# Altium PCB Developer_GT06_Assemble_V1.1.0_Nov2023_1402.06.05.PcbDoc
Units mm, origin at the board's own origin, x right, y up, seen from the top; angles counter-clockwise.
Board outline 41.66 x 17.65 mm, 2 copper layers (Top Layer, Bottom Layer); 56 components, 0 nets, 126 pads, 0 vias.
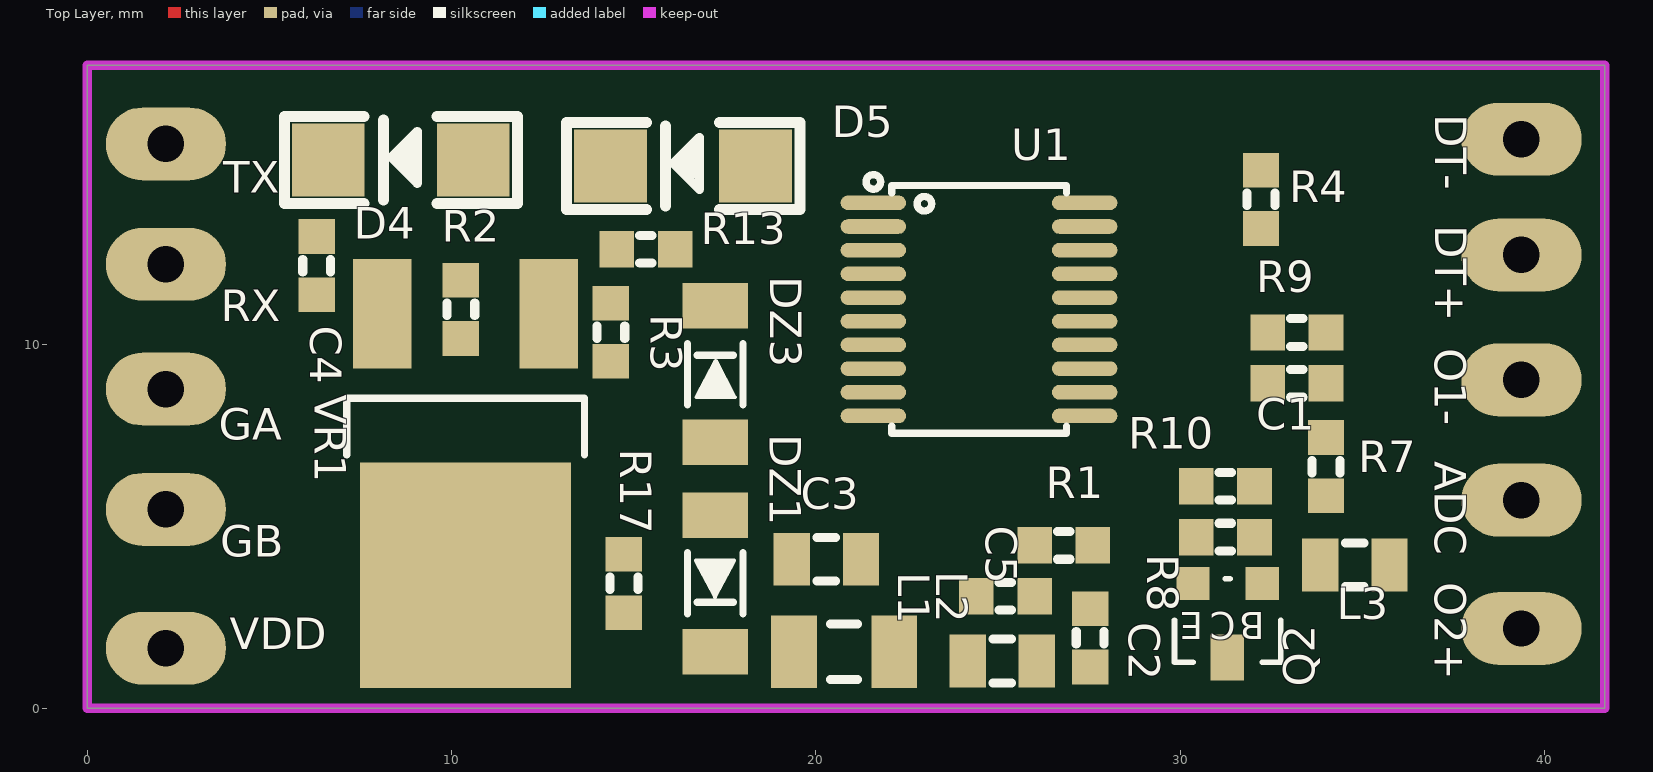
[diagram p0: Top Layer view]
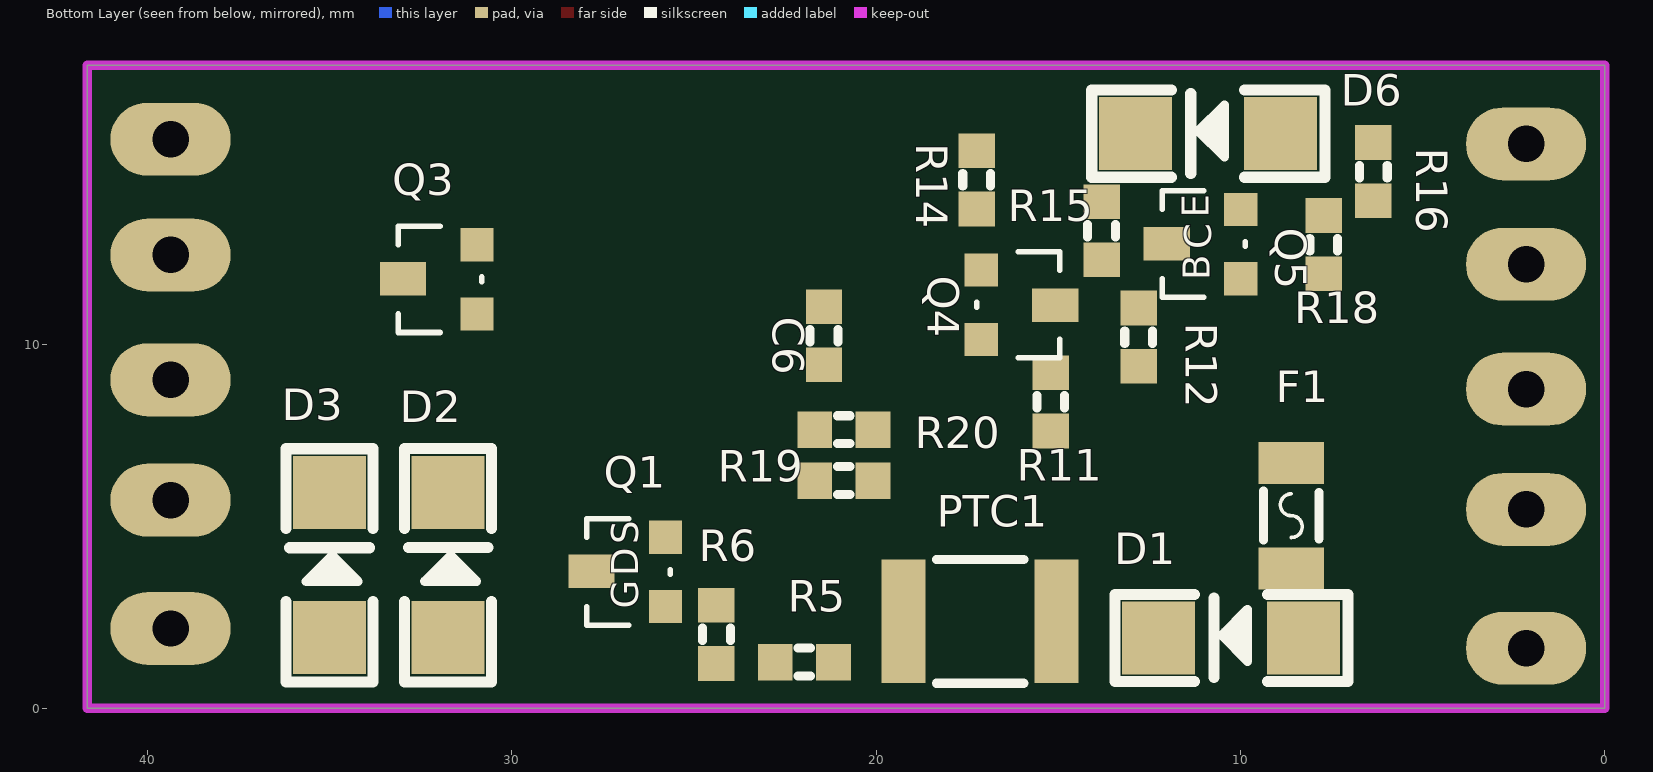
[diagram p1: Bottom Layer view, seen from below]

## Layer stack, top to bottom
Top Solder: solder mask 0.0102, Solder Resist, Dk 3.5
Top Layer: signal copper 0.0356
Dielectric 1: dielectric 0.32, FR-4, Dk 4.8
Bottom Layer: signal copper 0.0356
Bottom Solder: solder mask 0.0102, Solder Resist, Dk 3.5

## Board outline
0,0 0,17.653 41.656,17.653 41.656,0

## Design rules (kind name [scope] priority, off if disabled: settings)
BoardOutlineClearance [All] p1: gap=0.508 ignorepadtopadclearanceinfootprint=FALSE
Clearance [All] p1: gap=0.254 ignorepadtopadclearanceinfootprint=TRUE except(0.508: Arc-Poly Track-Poly SMDPad-Poly THPad-Poly Via-Poly Fill-Poly Poly-Poly Poly-Region)
ComponentClearance [All] p1: gap=0.254 collisioncheckmode=3 verticalgap=0 showdistances=FALSE
HoleSize [All] p1: absolutevalues=TRUE maxlimit=12.7 minlimit=0.025 maxpercent=80.000 minpercent=20.000
MinimumSolderMaskSliver [All] p1: minsoldermaskwidth=0
PolygonConnect [All] p1: thpad.connectstyle=Relief thpad.reliefconductorwidth=0.762 thpad.reliefentries=4 thpad.polygonreliefangle="90 Angle" thpad.airgapwidth=0.254 smdpad.connectstyle=Relief smdpad.reliefconductorwidth=0.508 smdpad.reliefentries=4 smdpad.polygonreliefangle="90 Angle" smdpad.airgapwidth=0.254 via.connectstyle=Direct via.reliefconductorwidth=0.254 via.reliefentries=4 via.polygonreliefangle="90 Angle" via.airgapwidth=0.254
RoutingVias [All] p1: holewidth=0.7 width=1.27 viastyle="Through Hole" minholewidth=0.5 minwidth=0.5 maxholewidth=1 maxwidth=2.54
ShortCircuit [All] p1: allowed=TRUE
SilkToSolderMaskClearance [IsPad] p1: minsilkscreentomaskgap=0 clearancetoexposedcopper=TRUE
SolderMaskExpansion [All] p1: expansion=0.102 istentingtop=FALSE
UnRoutedNet [All] p1: checkbadconnections=TRUE
Width [All] p1: maxlimit=2.54 minlimit=0.254 preferedwidth=0.254
24 further rules are at their usual default settings.

## Components (designator, comment, footprint, x,y, rotation, side; value= is the part's Value field where it differs from the comment)
ADC "" TPSMD_D1 39.37,5.715 r270 top net-tie value=VALUE
C1 "100NF_0603_50V" Cap_0603_Nominal 33.205,8.92 r0 top value=100nF
C2 "100NF_0603_50V" Cap_0603_Nominal 27.528,1.935 r90 top value=100nF
C3 "10UF_0805_50V" Cap_0805_Nominal 20.289,4.094 r0 top value=100nF
C4 "100NF_0603_50V" Cap_0603_Nominal 6.295,12.152 r90 top value=100nF
C5 "100NF_0603_50V" Cap_0603_Nominal 25.204,3.078 r0 top
C6 "100NF_0603_50V" Cap_0603_Nominal 21.432,10.228 r270 bottom value=100nF
D1 "1N4148_MINIMELF" DIODE_SMA 10.256,1.935 r0 bottom
D2 "IN4007(M7)_SMA" DIODE_SMA 31.75,3.937 r90 bottom
D3 "IN4007(M7)_SMA" DIODE_SMA 35.005,3.934 r90 bottom
D4 "IN4007(M7)_SMA" DIODE_SMA 8.605,15.053 r180 top
D5 "IN4007(M7)_SMA" DIODE_SMA 16.352,14.889 r180 top
D6 "IN4007(M7)_SMA" DIODE_SMA 10.891,15.778 r0 bottom
DT+ "" TPSMD_D1 39.37,12.446 r90 top net-tie value=VALUE
DT- "" TPSMD_D1 39.37,15.621 r90 top net-tie value=VALUE
DZ1 "ZENER_3.3V_MINIMELF" Diode_ZENER_MINIMELF 17.241,3.429 r270 top
DZ3 "ZENER_16V_MINIMELF" Diode_ZENER_MINIMELF 17.241,9.174 r90 top value=ZENER_5.1V_MINIMELF
F1 "0.5A_63V_1206" FUSE_1206_NOMINAL 8.605,5.29 r270 bottom
GA "" TPSMD_D1 2.159,8.763 r90 top net-tie value=VALUE
GB "" TPSMD_D1 2.159,5.461 r90 top net-tie value=VALUE
L1 "10UH_1206" INDUCTOR_1206_NOMINAL 20.775,1.554 r180 top
L2 "10UH_0805" INDUCTOR_0805_Nominal 25.115,1.3 r0 top
L3 "10UH_0805" INDUCTOR_0805_Nominal 34.798,3.937 r180 top
O1- "" TPSMD_D1 39.37,9.017 r90 top net-tie value=VALUE
O2+ "" TPSMD_D1 39.37,2.192 r90 top net-tie value=VALUE
PTC1 "PTC" PTC_1812 17.147,2.39 r180 bottom
Q1 "SI2309A(MS29)_SOT23" SOT23_MOSFET 26.797,3.746 r90 bottom
Q2 "MMBT3904" SOT23_BJT 31.306,2.413 r180 top
Q3 "DDTD143EC(N62)_SOT23" SOT23 31.973,11.777 r90 bottom
Q4 "DDTD143EC(N62)_SOT23" SOT23 16.098,11.079 r270 bottom
Q5 "MMBT3906 (2A)_SOT23" SOT23_BJT 11.005,12.743 r90 bottom
R1 "1K_0603" Res_0603_Nominal 26.804,4.475 r0 top value=10K_0603
R2 "2.2K_0603" Res_0603_Nominal 10.256,10.952 r90 top value=10K_0603
R3 "3.3K_0603" Res_0603_Nominal 14.373,10.325 r90 top value=10K_0603
R4 "10K_0603" Res_0603_Nominal 32.221,13.974 r90 top
R5 "10K_0603" Res_0603_Nominal 21.971,1.27 r0 bottom
R6 "10K_0603" Res_0603_Nominal 24.384,2.032 r270 bottom
R7 "22K_0603" Res_0603_Nominal 34.005,6.634 r90 top value=3.3K_0603
R8 "10K_0603" Res_0603_Nominal 31.242,4.699 r180 top
R9 "2.2K_0603" Res_0603_Nominal 33.205,10.317 r180 top value=3.3K_0603
R10 "10K_0603" Res_0603_Nominal 31.242,6.096 r180 top
R11 "10K_0603" Res_0603_Nominal 15.209,8.412 r90 bottom
R12 "10K_0603" Res_0603_Nominal 12.796,10.19 r270 bottom
R13 "10K_0603" Res_0603_Nominal 15.336,12.603 r0 top
R14 "10K_0603" Res_0603_Nominal 17.241,14.508 r90 bottom
R15 "10K_0603" Res_0603_Nominal 13.812,13.111 r270 bottom
R16 "10K_0603" Res_0603_Nominal 6.35,14.732 r90 bottom
R17 "0K_0603" Res_0603_Nominal 14.732,3.429 r270 top value=10K_0603
R18 "2.2K_0603" Res_0603_Nominal 7.716,12.73 r270 bottom
R19 "1K_0603" Res_0603_Nominal 20.886,6.253 r180 bottom value=3.3K_0603
R20 "1K_0603" Res_0603_Nominal 20.886,7.65 r180 bottom value=3.3K_0603
RX "" TPSMD_D1 2.159,12.192 r90 top net-tie value=VALUE
TX "" TPSMD_D1 2.159,15.494 r90 top net-tie value=VALUE
U1 "STM32G030F6P6_TSSOP20" SOG65_20 24.48,10.952 r0 top value=STM32F103
VDD "" TPSMD_D1 2.159,1.651 r90 top net-tie value=VALUE
VR1 "LM317M2T_DPAK" DPAK 10.383,7.244 r180 top value=LM317M2T

## Footprints (in the part's own frame and the unit in brackets; to place one, negate y for a bottom-side part, rotate by r counter-clockwise, add the part's x,y. Pads: shape width x height; smd on the part's side, far side on the other; paste and mask are expansions set on the pad)
Cap_0603_Nominal [mm]
  rect 0.95x1 smd: 1(-0.8,0) 2(0.8,0)
  silkscreen extent -0.17,-0.38 0.17,0.38, body extent -0.8,-0.4 0.8,0.4, height 0.3
Cap_0805_Nominal [mm]
  rect 1x1.45 smd: 1(-0.95,0) 2(0.95,0)
  silkscreen extent -0.25,-0.6 0.25,0.6, body extent -1,-0.64 1,0.65, height 1.29
DIODE_SMA [mm]
  rect 2x2 smd: 1(-1.99,0) 2(1.99,0)
  silkscreen extent -3.21,-1.19 3.19,1.2, body extent -2.6,-1.3 2.6,1.3, height 2.45
Diode_ZENER_MINIMELF [mm]
  rect 1.25x1.8 smd: 1(-1.875,0) 2(1.875,0)
  silkscreen extent -0.84,-0.76 0.84,0.76, body extent -1.82,-0.81 1.88,0.79, height 1.61
DPAK [mm]
  rect 1.6x3 smd: 1(-2.285,-3.59) 3(2.285,-3.59)
  rect 5.8x6.2 smd: 2(0,3.59)
  silkscreen extent -3.27,-1.27 3.26,0.29, body extent -3.36,-4.45 3.36,6, height 2.39
FUSE_1206_NOMINAL [mm]
  rect 1.15x1.8 smd: 1(1.45,0) 2(-1.45,0)
  silkscreen extent -0.67,-0.76 0.67,0.76, body extent -1.7,-0.85 1.7,0.85, height 0.81
INDUCTOR_0805_Nominal [mm]
  rect 1x1.45 smd: 1(-0.95,0) 2(0.95,0)
  silkscreen extent -0.25,-0.6 0.25,0.6, body extent -1.1,-0.72 1.1,0.73, height 0.55
INDUCTOR_1206_NOMINAL [mm]
  rect 1.25x2 smd: 1(1.375,0) 2(-1.375,0)
  silkscreen extent -0.37,-0.76 0.37,0.76, body extent -1.6,-0.8 1.6,0.8, height 0.6
PTC_1812 [mm]
  rect 1.2x3.4 smd: 1(2.1,0) 2(-2.1,0)
  silkscreen extent -1.2,-1.7 1.2,1.7, body extent -2.25,-1.6 2.25,1.6, height 0.93
Res_0603_Nominal [mm]
  rect 0.95x1 smd: 1(-0.8,0) 2(0.8,0)
  silkscreen extent -0.17,-0.38 0.17,0.38, body extent -0.8,-0.42 0.84,0.43, height 0.26
SOG65_20 [mm] "PW TSSOP (TI), MO-153-AC (JEDEC), 20Lead, pitch: 0.65mm, 6.5x4.4x1.2mm"
  oval 1.8x0.4 smd mask+0.075: 1(-2.9,2.925) 2(-2.9,2.275) 3(-2.9,1.625) 4(-2.9,0.975) 5(-2.9,0.325) 6(-2.9,-0.325) 7(-2.9,-0.975) 8(-2.9,-1.625) 9(-2.9,-2.275) 10(-2.9,-2.925) 11(2.9,-2.925) 12(2.9,-2.275) 13(2.9,-1.625) 14(2.9,-0.975) 15(2.9,-0.325) 16(2.9,0.325) 17(2.9,0.975) 18(2.9,1.625) 19(2.9,2.275) 20(2.9,2.925)
  silkscreen extent -3.1,-3.4 2.4,3.7, body extent -3.2,-3.25 3.2,3.25, height 1.2
SOT23 [mil]
  rect 36x36 smd: 1(-37.5,-40) 2(37.5,-40)
  rect 36x50 smd: 3(0.5,40)
  silkscreen extent -57,-45 58,45, body extent -59,-49 59,49, height 42
SOT23_BJT [mil]
  rect 36x36 smd: 1(-37.5,-40) 2(37.5,-40)
  rect 36x50 smd: 3(0.5,40)
  silkscreen extent -57,-45 58,45, body extent -59,-49 59,49, height 42
SOT23_MOSFET [mil]
  rect 36x36 smd: 1(-37.5,-40) 2(37.5,-40)
  rect 36x50 smd: 3(0.5,40)
  silkscreen extent -58,-45 58,45, body extent -59,-49 59,49, height 42
TPSMD_D1 [mm] "Test Point, SMD Pad, Circle, 1mm X 1mm"
  oval 2x3.3 hole 1: 1(0,0)

## Part data
ADC DT+ DT- GA GB O1- O2+ RX TX VDD: library part TESTPOINT_SMD, "TEST POINT", MANF=MANF, MANF_P#=MANF_P#
C1 C2 C3 C4 C5 C6: library part Cap, Component ID=000401
D1 D2 D3 D4 D5 D6: library part Diode
  D1: Component ID=000441
  D2 D3 D4 D5 D6: Component ID=000448
DZ1 DZ3: library part Diode_Zener, Component ID=000449
F1: library part FUSE, "Marking Code:F", Component ID=002669
L1 L2 L3: library part Inductor
  L1: Component ID=002908
  L2: Component ID=003143
Q1: library part MOSFET-P, "P-Channel MOSFET", LatestRevisionDate=17-Jul-2002, LatestRevisionNote="Re-released for DXP Platform.", PackageDescription="TO, Flat Index; 3 In-Line, Axial Leads; Body Dia. 4.6mm; Lead Dia. 0.5 mm (max)", PackageReference=E3, PackageVersion=1995/1996, Published=8-Jun-2000, Publisher="Altium Limited"
Q3 Q4: library part NPN_Digital, Component ID=000498
Q5: library part MMBT3906
R1 R2 R3 R4 R5 R6 R7 R8 R9 R10 R11 R12 R13 R14 R15 R16 R17 R18 R19 R20: library part RES
  R1 R2 R3 R4 R5 R6 R8 R10 R11 R12 R13 R14 R15 R16 R17 R18: Component ID=000091
  R7 R9 R19 R20: Component ID=000154
U1: library part STM32G030x6, "MCU, STM32 ARM 32-bit, Cortex M0, 64KB FLASH, 8KB SRAM", DESC="CAN, I2C, SPI, USART, USB", MANF=ST, MANF_P#=STM32F103C8T6, PARAM="64KB FLASH, 20KB SRAM, -40~85oC", PARAM2="2~3.6VCC, 72MHz, 2X12Bit ADC", PRICE=6$
VR1: library part VREG_LM317_TO220, "REG, Linear, Adjustable, 1.5A, TO-220", MANF="TI, ST, ON", MANF_P#="LM317KC, LM317T, LM317HVT, LM317BTG", PARAM=1.5A, PARAM2=PARAM2

## Nets (pads, with @x,y where several pads share a name; then routed paths per layer and width w, separated by ;. In a path a pad name is that pad's centre, name@x,y a point inside that pad or via, vN(x,y) a via of type N, cw(c..) or ccw(c..) an arc to the next point about the centre after c; other vN are vias at no path point)
pads on no net: ADC.1 C1.1 C1.2 C2.1 C2.2 C3.1 C3.2 C4.1 C4.2 C5.1 C5.2 C6.1 C6.2 D1.1 D1.2 D2.1 D2.2 D3.1 D3.2 D4.1 D4.2 D5.1 D5.2 D6.1 D6.2 DT+.1 DT-.1 DZ1.1 DZ1.2 DZ3.1 DZ3.2 F1.1 F1.2 GA.1 GB.1 L1.1 L1.2 L2.1 L2.2 L3.1 L3.2 O1-.1 O2+.1 PTC1.1 PTC1.2 Q1.1 Q1.2 Q1.3 Q2.1 Q2.2 Q2.3 Q3.1 Q3.2 Q3.3 Q4.1 Q4.2 Q4.3 Q5.1 Q5.2 Q5.3 R1.1 R1.2 R2.1 R2.2 R3.1 R3.2 R4.1 R4.2 R5.1 R5.2 R6.1 R6.2 R7.1 R7.2 R8.1 R8.2 R9.1 R9.2 R10.1 R10.2 R11.1 R11.2 R12.1 R12.2 R13.1 R13.2 R14.1 R14.2 R15.1 R15.2 R16.1 R16.2 R17.1 R17.2 R18.1 R18.2 R19.1 R19.2 R20.1 R20.2 RX.1 TX.1 U1.1 U1.2 U1.3 U1.4 U1.5 U1.6 U1.7 U1.8 U1.9 U1.10 U1.11 U1.12 U1.13 U1.14 U1.15 U1.16 U1.17 U1.18 U1.19 U1.20 VDD.1 VR1.1 VR1.2 VR1.3

## Keep-outs
Keep-Out Layer:
  the board outline again, w0.254

## Text inside footprints (layer, text, board x,y; h text height)
Q1: Bottom Overlay "D" at 26.289,3.619 h1.27 r270; Bottom Overlay "S" at 26.289,4.508 h1.27 r270; Bottom Overlay "G" at 26.289,2.73 h1.27 r270
Q2: Top Overlay "C" at 31.525,2.883 h1.27 r180; Top Overlay "E" at 30.631,2.886 h1.27 r180; Top Overlay "B" at 32.317,2.883 h1.27 r180
Q5: Bottom Overlay "C" at 10.558,12.605 h1.27 r270; Bottom Overlay "E" at 10.618,13.469 h1.27 r270; Bottom Overlay "B" at 10.592,11.758 h1.27 r270